# KiCad board design.kicad_pcb (continued)
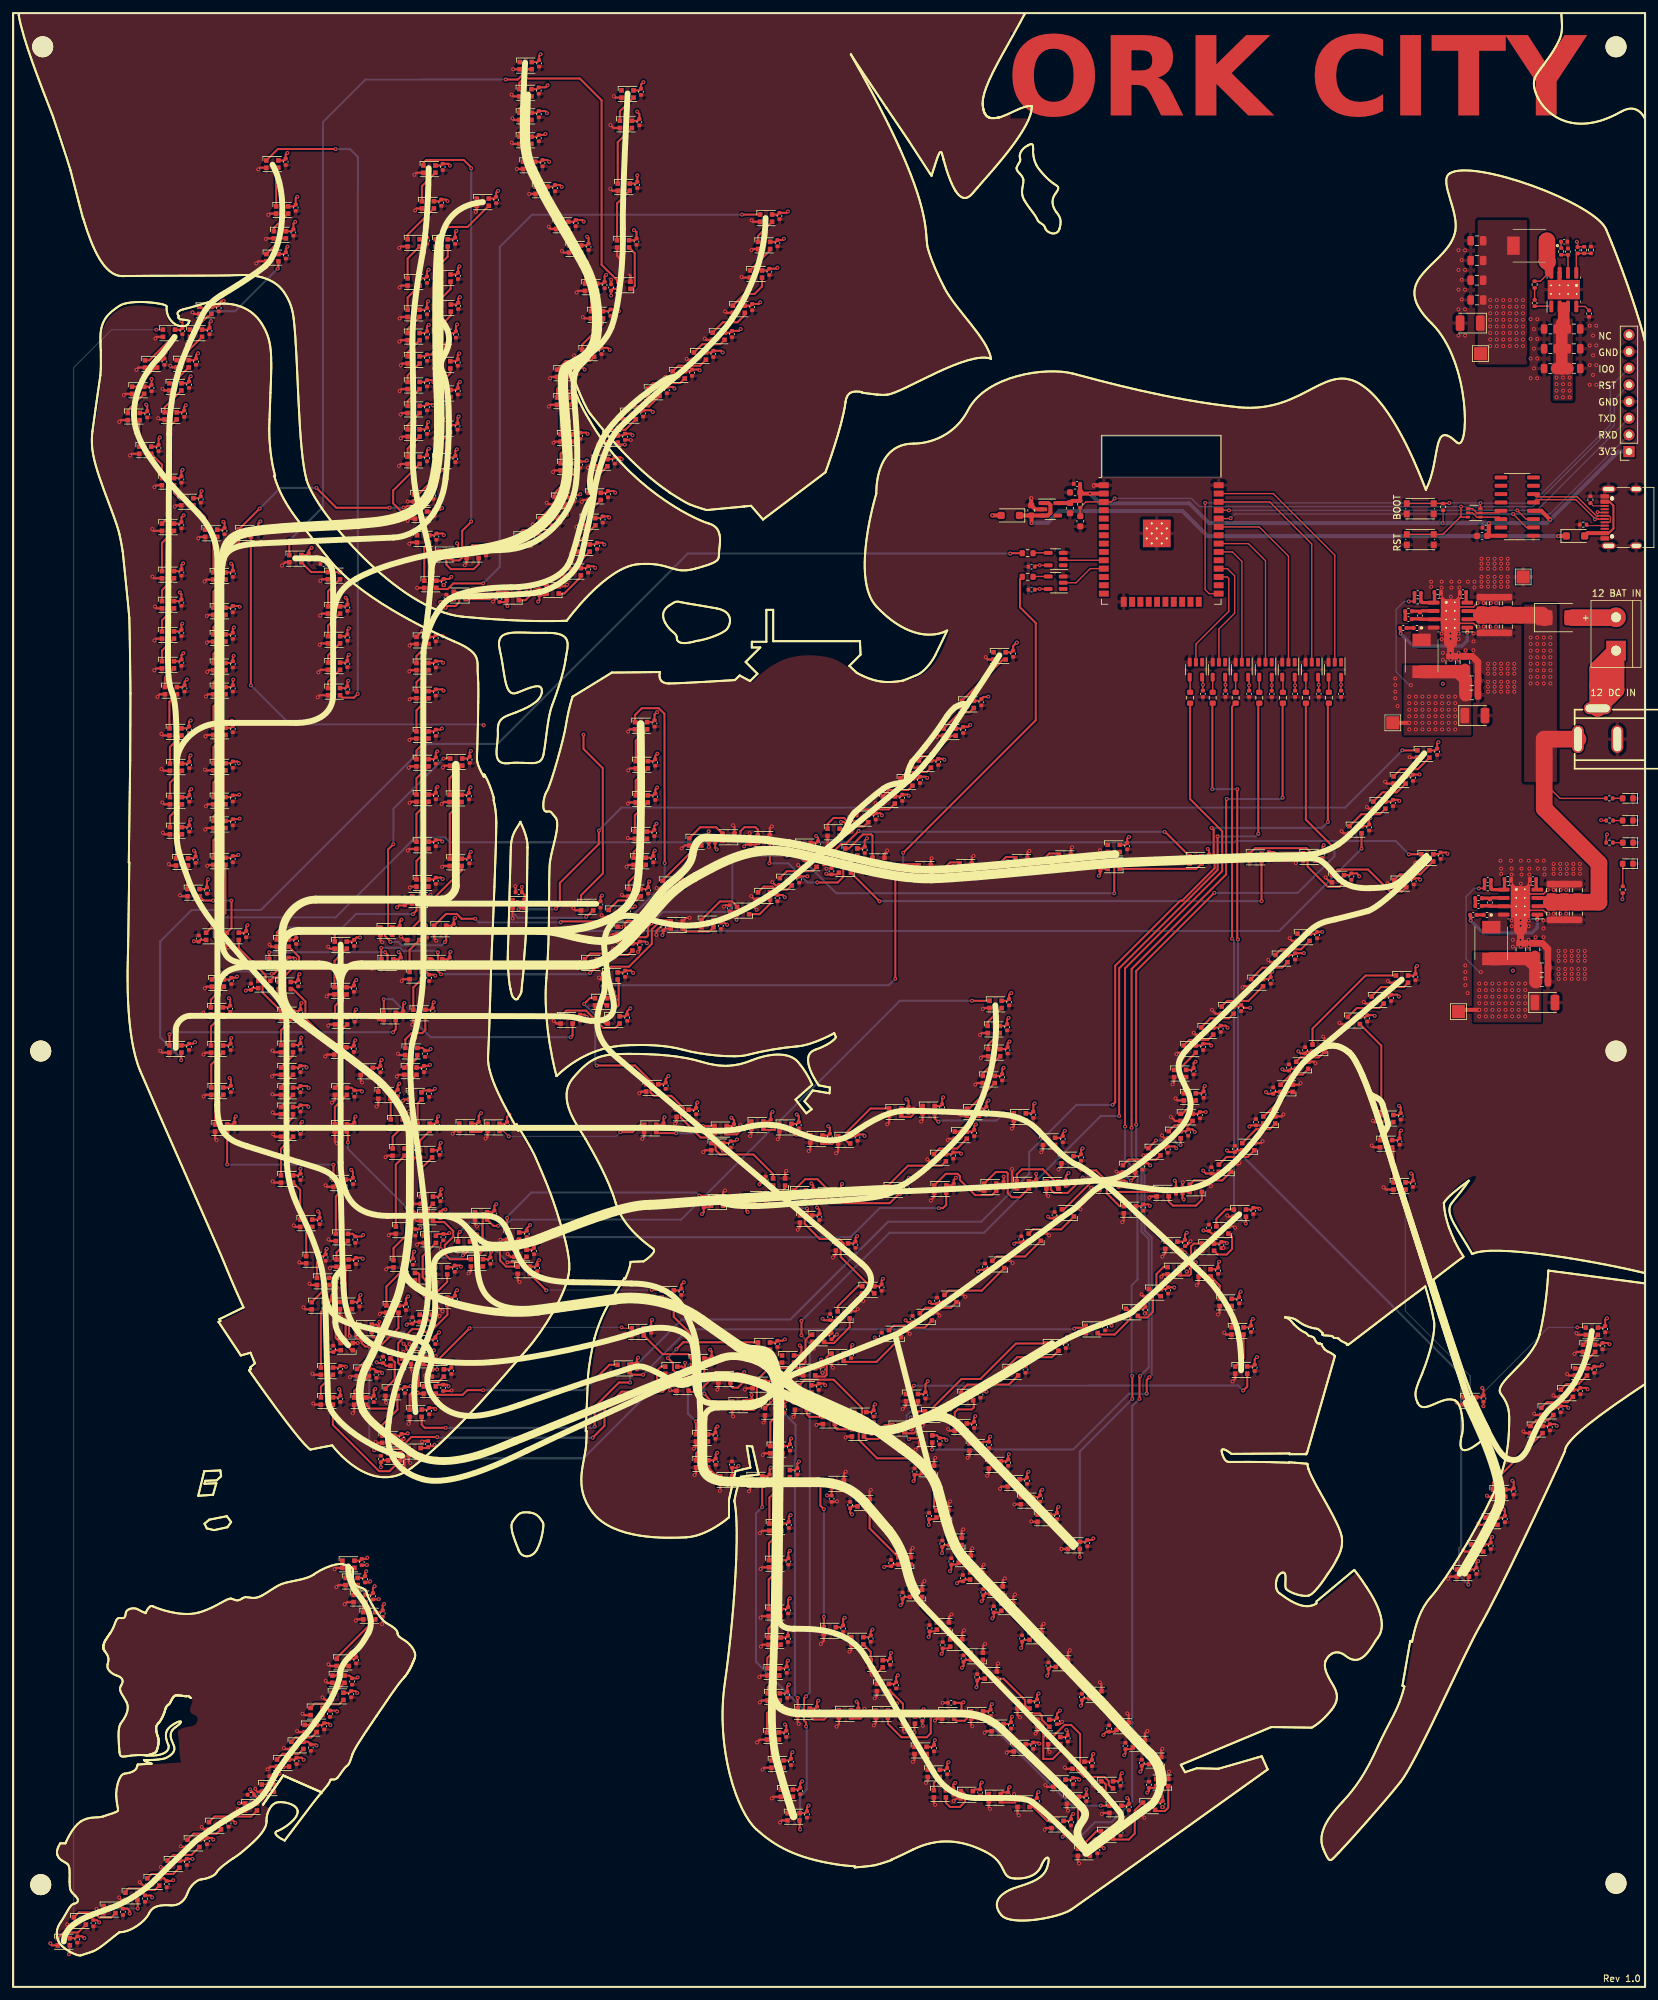
[diagram p0: board, top side]
## Routing (per net, layer and track width the routed paths; a pad name or vN(x,y) marks a point on that pad's centre or on a via; arc(x,y) is an arc through that point) (continued)
/Controller/+12v: length 149.9
  Top w0.203: R6.2 235.67,181.06 233.26,183.47 233.26,187.21
  Top w0.5: 236.15,166.12 238,166.12 238,164.5 ; 236.15,166.12 234.35,166.12 234.35,164.45 238.05,164.45 ; 236.15,166.12 236.15,164.5 ; 227.34,208.22 227.34,209.84 225.49,209.84 ; U4.3 223.05,209.62 ; U5.2 234.47,164.63 ; 225.49,209.84 223.69,209.84 223.69,208.17 227.39,208.17 ; 225.49,209.84 225.49,208.22 ; U4.2 223.8,208.35 ; U5.3 233.72,165.9
  Top w1.778: C52.1 236.84,246.55 235.93,246.55 ; 235.93,246.55 235.93,253.37 236.23,253.67 236.23,255.77 ; 235.93,246.55 C47.1
  Top w2.54: 223.69,208.97 232.89,208.97 D5.1 ; J4.1 233.31,190.09 233.26,190.04 233.26,179.51 241.6,171.18 241.6,165.25 234.35,165.25
  In2.Cu w2.54: v1(233.2,204.57) 233.2,217.74 231.41,219.53 231.41,239.45 v1(236.13,244.17)
  vias: v1(231.2,205.57) v1(231.2,204.57) v1(231.2,203.57) v1(231.2,202.57) v1(231.2,201.57) v1(231.2,200.57) v1(231.2,199.57) v1(231.2,198.57) v1(232.2,205.57) v1(232.2,204.57) v1(232.2,203.57) v1(232.2,202.57) v1(232.2,201.57) v1(232.2,200.57) v1(232.2,199.57) v1(232.2,198.57) v1(233.2,205.57) v1(233.2,203.57) v1(233.2,202.57) v1(233.2,201.57) v1(233.2,200.57) v1(233.2,199.57) v1(233.2,198.57) v1(234.2,205.57) v1(234.2,204.57) v1(234.2,203.57) v1(234.2,202.57) v1(234.2,201.57) v1(234.2,200.57) v1(234.2,199.57) v1(234.2,198.57) v1(235.13,245.17) v1(235.13,244.17) v1(235.13,243.17) v1(235.13,242.17) v1(236.13,245.17) v1(236.13,243.17) v1(236.13,242.17) v1(237.13,245.17) v1(237.13,244.17) v1(237.13,243.17) v1(237.13,242.17)
/Controller/VBUS: length 9.9
  Top w0.305: J2.A9 243.2,226.27 243.8,225.67 243.8,222.17 243.1,221.47 J2.A4
  Top w0.61: D1.2 239.86,221.47 J2.A4
GND: length 804.1
  Top w0.152: C477.2 127.51,175.76 v1(127.73,175.98) ; C271.2 48.45,102.88 v1(48.28,102.71) ; v1(224,88.47) 224.01,88.48 C165.2 ; 143.01,170.73 v1(142.21,169.93) ; v1(123.9,170.35) 123.99,170.44 C211.2 ; 151.47,171.49 v1(150.68,170.7) ; C79.2 65.15,113.34 v1(65.15,112.39) ; C524.2 70.75,112.36 v1(70.53,112.14) ; C529.2 160.88,122.03 161.29,122.44 ; v1(59.21,108.19) 59.38,108.36 C78.2 ; 158.11,172.07 v1(157.41,171.37)
  Top w0.23: 230.9,166.51 233.15,166.51 233.8,167.16 ; 223.14,210.88 222.49,210.23 220.24,210.23 ; 220.24,207.73 222.49,207.73 223.09,207.13 223.29,207.13 ; 230.9,164.01 233.15,164.01 233.75,163.41 233.95,163.41
  Top w0.305: v1(21.22,214.85) 21.47,214.6 D245.2 ; 45.79,88.87 45.73,88.93 v1(45.73,88.88) 45.78,88.88 45.95,88.71 D220.2 ; C399.2 147.36,29.13 v1(147.4,29.17) ; D281.2 145.89,66.55 146.13,66.79 v1(146.13,66.82) 146.16,66.82 146.09,66.75 ; D343.2 55.94,159.43 56.21,159.16 v1(56.23,159.16) 56.23,159.14 56.13,159.24 ; 64.47,107.45 64.53,107.39 v1(64.51,107.39) 64.51,107.41 64.3,107.62 D468.2 ; 182.46,122 v1(182.49,122) 182.49,121.97 182.46,122 ; 182.46,122 182.25,122.21 D129.2 ; D284.2 152.38,59.49 152.64,59.75 v1(152.64,59.78) 152.67,59.78 152.63,59.74 ; 145,105.2 145.07,105.13 v1(145.07,105.15) 145.05,105.15 144.78,105.42 D135.2 ; 105.24,127.25 105.14,127.15 v1(105.14,127.18) 105.17,127.18 105.45,127.46 D436.2 ; C74.2 59.31,83.28 v1(59.5,83.47) ; D381.2 132.27,120.86 132.04,120.63 v1(132.03,120.63) 132.03,120.62 132.14,120.73 ; D143.2 60.62,93.97 v1(60.91,93.68) ; 99.43,245.19 99.33,245.29 v1(99.33,245.27) 99.35,245.27 99.59,245.03 D61.2 ; D293.2 164.97,22.62 v1(164.75,22.41) ; 178,171.41 177.91,171.5 v1(177.94,171.5) 177.94,171.47 178.26,171.15 D161.2 ; D262.2 v1(76.18,292.15) ; D450.2 175.53,111.75 175.08,111.29 ; 93.7,191.32 93.97,191.59 D335.2 ; 93.7,191.32 v1(93.7,191.24) 93.62,191.24 93.7,191.32 ; 31.43,161.69 31.49,161.75 v1(31.41,161.75) 31.41,161.67 31.23,161.49 D207.2 ; D23.2 119.11,87.08 v1(118.87,86.84) ; 63.43,166.24 63.56,166.37 v1(63.56,166.35) 63.54,166.35 63.32,166.13 D319.2 ; D479.2 177.4,135.04 177.09,135.35 v1(177.09,135.36) 177.08,135.36 177.14,135.3 ; C385.2 95.05,160.66 v1(94.79,160.39) ; 135.58,88.07 135.53,88.02 v1(135.53,88.04) 135.55,88.04 136.02,88.51 D445.2 ; v1(93.65,180.27) 93.82,180.44 D337.2 ; 66.96,130 66.94,129.98 v1(66.98,129.98) 66.98,130.02 67.38,130.42 D464.2 ; D181.2 29.07,24 28.73,24.34 v1(28.73,24.35) 28.72,24.35 28.79,24.28 ; D336.2 94.01,185.64 v1(93.71,185.34) ; D43.2 60.36,173.37 60.13,173.14 v1(60.13,173.12) 60.11,173.12 60.22,173.23 ; D283.2 150.76,61.93 151.08,62.24 v1(151.09,62.24) 151.09,62.25 151.04,62.2 ; D292.2 172.16,25.95 172.33,25.78 v1(172.34,25.78) 172.34,25.77 172.26,25.85 ; D294.2 162.22,19.03 162.41,18.84 v1(162.41,18.81) 162.44,18.81 162.31,18.94 ; D353.2 130.65,47.82 v1(130.87,47.55) 130.75,47.72 ; D435.2 101.08,131.72 100.88,131.52 v1(100.86,131.52) 100.86,131.5 100.91,131.55 ; 156.7,127.26 156.61,127.17 v1(156.64,127.17) 156.64,127.2 156.91,127.47 D453.2 ; C105.2 94.1,235.68 v1(94.1,235.67) ; D252.2 37.34,262.9 37.04,262.6 v1(37.04,262.56) 37,262.56 37.07,262.63 ; D95.2 59.14,259.2 58.89,258.95 v1(58.89,258.9) 58.84,258.9 58.97,259.03 ; D264.2 115.8,28.96 115.59,28.75 v1(115.59,28.71) 115.55,28.71 115.66,28.82 ; 159.62,66.83 v1(159.73,66.72) 160.68,66.72 ; D345.2 153.02,26.32 153.2,26.14 v1(153.22,26.14) 153.22,26.12 153.14,26.2 ; D120.2 202.22,146.67 202.06,146.83 v1(202.06,146.86) 202.03,146.86 202.08,146.81 ; 99,103.97 99.1,103.87 v1(99.05,103.87) 99.05,103.92 98.81,104.16 D374.2 ; v1(127.27,86.51) 126.91,86.15 C69.2 ; v1(127.27,86.51) 127.51,86.48 D277.2 ; v1(127.27,86.51) 127.45,86.48 127.48,86.48 ; D304.2 112.72,97.07 112.27,96.62 v1(112.27,96.59) 112.24,96.59 112.31,96.66 ; 42.88,115.93 42.77,116.04 v1(42.77,116.01) 42.8,116.01 43.02,115.79 D225.2 ; D438.2 119.88,115.75 119.54,115.41 v1(119.54,115.36) 119.49,115.36 119.61,115.48 ; 25.61,21.4 25.55,21.46 v1(25.55,21.42) 25.59,21.42 25.7,21.31 D182.2 ; 139.88,119.91 139.77,119.8 v1(139.84,119.8) 139.84,119.87 140.32,120.36 D471.2 ; D93.2 61.47,270.94 61.25,270.72 v1(61.25,270.65) 61.18,270.65 61.31,270.78 ; 209.11,183.48 208.99,183.6 v1(209.02,183.6) 209.02,183.57 209.27,183.32 D411.2 ; D172.2 48.29,48.88 v1(48.04,49.13) ; v1(124.9,94.33) 124.69,94.54 D138.2 ; 61.59,113.14 61.52,113.07 v1(61.54,113.07) 61.54,113.09 61.78,113.33 D32.2 ; D424.2 119.83,170.63 119.61,170.85 v1(119.61,170.91) 119.55,170.91 119.65,170.81 ; 121.27,127.37 121.21,127.31 v1(121.21,127.33) 121.23,127.33 121.47,127.56 D458.2 ; D299.2 145.94,39.92 146.13,39.73 v1(146.13,39.71) 146.15,39.71 146.05,39.81 ; 64.41,103.92 65.41,102.92 v1(65.43,102.92) 65.43,102.9 65.36,102.97 ; D130.2 173.26,120.43 173.11,120.28 v1(173.11,120.24) 173.07,120.24 173.17,120.34 ; 29.18,185.51 29.22,185.47 v1(29.22,185.44) 29.25,185.44 29.37,185.32 D203.2 ; D413.2 202.68,175.75 202.39,176.04 v1(202.39,176.06) 202.37,176.06 202.47,175.96 ; 186.73,125.41 186.82,125.5 v1(186.81,125.5) 186.81,125.49 186.6,125.28 D128.2 ; D414.2 22.67,142.34 22.41,142.6 ; C342.2 175.12,27.38 v1(175.1,27.4) ; D291.2 175.99,32.68 176.09,32.78 v1(176.1,32.78) 176.1,32.79 176.07,32.76 ; D251.2 27.6,254.86 v1(27.34,255.12) ; v1(122.19,119.69) 122.55,120.05 D380.2 ; v1(68.81,216.59) 69.09,216.87 D90.2 ; D37.2 58.63,138.95 58.46,138.78 v1(58.46,138.7) 58.38,138.7 58.52,138.84 ; 63.18,109.94 63.3,110.06 v1(63.3,109.95) 63.19,109.95 63.05,109.81 D31.2 ; 107.32,91.05 107.26,90.99 v1(107.29,90.99) 107.29,91.02 107.44,91.17 D25.2 ; 127.45,51.07 v1(127.42,51.07) 127.42,51.04 127.45,51.07 ; 127.45,51.07 127.7,51.32 D354.2 ; 69.45,108.73 69.38,108.66 v1(69.38,108.71) 69.43,108.71 69.74,109.03 D390.2 ; 46.85,214.26 46.79,214.2 v1(46.8,214.2) 46.8,214.21 47.04,214.45 D260.2 ; D408.2 85.67,164.01 85.36,164.32 v1(85.36,164.34) 85.34,164.34 85.4,164.28 ; 119.37,93.37 119.26,93.48 v1(119.35,93.48) 119.35,93.39 119.58,93.16 D139.2 ; v1(67.8,218.07) 67.8,218.08 C139.2 ; 207.22,131.9 207.17,131.95 v1(207.17,131.94) 207.18,131.94 207.38,131.74 D119.2 ; D239.2 22.93,185.27 22.68,185.52 v1(22.6,185.52) 22.6,185.6 22.69,185.51 ; 75.71,219.98 75.7,219.98 v1(75.66,219.97) 75.72,219.98 D89.2 ; D265.2 114.42,33.39 114.18,33.15 v1(114.18,33.11) 114.14,33.11 114.23,33.2 ; v1(78.23,212.54) 78.05,212.36 D51.2 ; D383.2 142.55,129.2 142.4,129.05 ; 64.84,254.17 64.81,254.14 v1(64.83,254.14) 64.83,254.16 64.84,254.18 D400.2 ; D269.2 114.16,52.13 113.92,51.89 v1(113.92,51.83) 113.86,51.83 113.95,51.92 ; 47.86,151.01 47.75,150.9 v1(47.77,150.9) 47.77,150.92 48.05,151.2 D395.2 ; D279.2 142.5,73.72 v1(142.75,73.97) ; v1(56.2,55.27) 56.3,55.37 C220.2 ; D193.2 18.05,233.56 17.81,233.32 v1(17.81,233.3) 17.79,233.3 17.8,233.31 ; 137.11,34.32 137.07,34.28 v1(137.09,34.28) 137.09,34.3 137.32,34.54 D350.2 ; D39.2 60.97,146.86 60.81,146.7 v1(60.81,146.62) 60.73,146.62 60.88,146.77 ; D361.2 144.59,53.97 144.88,54.26 v1(144.88,54.3) 144.92,54.3 144.83,54.21 ; v1(178.8,108.98) 178.82,108.96 C260.2 ; v1(76.75,276.96) D76.2 ; 75.38,111.64 75.34,111.68 v1(75.34,111.66) 75.36,111.66 75.81,111.21 D470.2 ; v1(104,91.27) 104.05,91.23 C73.2 ; 60.43,79.89 60.5,79.82 v1(60.5,79.83) 60.49,79.83 60.26,80.06 D306.2 ; D362.2 147.75,51.94 148.06,52.25 v1(148.07,52.25) 148.07,52.26 148.02,52.21 ; D97.2 59.06,250.87 v1(58.85,250.66) ; D315.2 52.95,138.03 53.16,137.82 v1(53.16,137.8) 53.18,137.8 53.08,137.9 ; v1(46.41,196.48) 46.71,196.78 D256.2 ; 16.86,242.54 16.84,242.52 v1(16.86,242.52) 16.86,242.54 ; 16.86,242.54 17.01,242.69 D191.2 ; C518.2 70.93,130.85 v1(70.9,130.87) ; 118.63,91.55 118.62,91.56 v1(118.68,91.56) 118.68,91.5 119.63,90.55 ; 238.25,99.46 238.12,99.59 v1(238.17,99.59) 238.17,99.54 238.38,99.33 D115.2 ; D301.2 131.44,40.17 131.14,39.86 v1(131.14,39.84) 131.12,39.84 131.2,39.92 ; 85.98,155.68 85.93,155.73 v1(85.93,155.71) 85.95,155.71 86.2,155.46 D157.2 ; 60.54,167.59 60.42,167.47 v1(60.45,167.47) 60.45,167.5 60.58,167.63 D42.2 ; D412.2 206.55,179.48 206.27,179.76 v1(206.26,179.76) 206.26,179.77 206.35,179.68 ; v1(91.1,260.07) 91.1,260.07 C120.2 ; v1(58.87,254.19) 59.09,254.41 D96.2 ; 89.23,148.49 89.28,148.44 v1(89.25,148.44) 89.25,148.47 88.66,149.06 D433.2 ; 18.84,246.46 18.74,246.36 v1(18.78,246.36) 18.78,246.4 19.09,246.71 D190.2 ; v1(138.85,61.81) 138.47,61.43 D359.2 ; v1(63.83,217.53) 63.97,217.67 D91.2 ; 230.13,84.54 230.05,84.62 v1(230.1,84.62) 230.1,84.57 230.31,84.36 D110.2 ; D328.2 132.75,172.67 133.16,173.08 v1(133.16,173.12) 133.2,173.12 133.11,173.03 ; D156.2 62.84,155.46 62.56,155.74 v1(62.56,155.77) 62.53,155.77 62.6,155.7 ; D29.2 59.31,96.61 59.46,96.75 v1(59.46,96.76) 59.47,96.76 59.4,96.69 ; 51.75,87.41 51.72,87.38 v1(51.75,87.38) 51.75,87.41 ; 51.75,87.41 51.96,87.62 D307.2 ; v1(126.84,83.7) 126.99,83.85 D21.2 ; D244.2 21.85,210.02 21.62,210.25 ; D289.2 172.42,38.61 172.79,38.97 v1(172.81,38.97) 172.81,38.99 172.78,38.96 ; D442.2 121.73,97.45 121.96,97.22 v1(121.98,97.22) 121.98,97.2 121.91,97.27 ; v1(64.4,96.07) 63.64,95.31 C192.2 ; 60.16,223.48 60.02,223.34 v1(60.1,223.34) 60.1,223.42 60.35,223.67 D103.2 ; 145.48,80.64 145.43,80.59 v1(145.43,80.61) 145.45,80.61 145.7,80.86 D14.2 ; 153.28,41.15 153.38,41.05 v1(153.38,41.07) 153.36,41.07 153.01,41.42 D364.2 ; 92.82,166.27 92.73,166.36 v1(92.75,166.36) 92.75,166.34 92.93,166.16 D340.2 ; 139.92,171.91 139.96,171.95 v1(139.94,171.95) 139.94,171.93 139.81,171.8 D327.2 ; D99.2 59.15,243.42 58.89,243.16 v1(58.89,243.12) 58.85,243.12 58.98,243.25 ; D384.2 144.44,132.71 144.2,132.95 v1(144.17,132.95) 144.17,132.98 144.25,132.9 ; D452.2 159.72,125.04 159.26,124.58 v1(159.26,124.52) 159.2,124.52 159.3,124.62 ; 81.87,245.17 81.77,245.07 v1(81.8,245.07) 81.8,245.1 81.98,245.28 D83.2 ; D297.2 151.5,35.87 151.38,35.75 v1(151.38,35.69) 151.32,35.69 151.41,35.78 ; 76.04,280.89 75.97,280.96 v1(75.98,280.96) 75.98,280.95 76.16,280.77 D75.2 ; D171.2 52.35,55.99 52.2,55.84 v1(52.2,55.8) 52.16,55.8 52.25,55.89 ; 209.4,168.13 209.39,168.14 v1(209.39,168.13) 209.4,168.13 ; 209.4,168.13 209.99,167.54 D166.2 ; D94.2 59.04,265.15 v1(58.82,264.93) ; 47.21,44.07 47.13,44.15 v1(47.13,44.11) 47.17,44.11 47.57,43.71 D174.2 ; D321.2 65.63,180.51 65.34,180.22 v1(65.29,180.22) 65.29,180.17 65.39,180.27 ; 113.92,63.77 113.82,63.67 v1(113.86,63.67) 113.86,63.71 114.07,63.92 D271.2 ; 95.5,136.17 95.42,136.09 v1(95.42,136.14) 95.47,136.14 95.74,136.41 D434.2 ; C352.2 128.79,41.46 v1(129.7,42.37) ; 70.55,115.94 70.66,115.83 v1(70.66,115.86) 70.63,115.86 70.36,116.12 D389.2 ; D290.2 174.91,36.11 175.07,36.26 v1(175.08,36.26) 175.08,36.27 175.02,36.21 ; C68.2 131.29,84.26 v1(131.6,84.57) ; 108.38,121.29 108.46,121.37 v1(108.46,121.33) 108.42,121.33 108.17,121.08 D377.2 ; D82.2 85.71,248.34 85.5,248.55 v1(85.45,248.55) 85.45,248.6 85.57,248.48 ; 34.15,219.72 v1(34.15,219.75) 34.18,219.75 34.39,219.96 D407.2 ; D237.2 23.06,175.59 22.83,175.82 v1(22.83,175.83) 22.82,175.83 22.92,175.73 ; D417.2 90.12,146.77 89.66,147.23 v1(89.65,147.23) 89.65,147.24 89.78,147.11 ; 29.59,208.92 29.51,208.84 v1(29.51,208.85) 29.52,208.85 29.69,209.02 D198.2 ; D303.2 119.53,40.29 119.69,40.13 ; 89.64,163.2 89.59,163.25 v1(89.65,163.25) 89.65,163.19 89.86,162.98 D341.2 ; D338.2 93.82,174.91 93.69,175.04 v1(93.65,175.04) 93.65,175.08 93.74,174.99 ; 93.55,170.75 93.45,170.65 v1(93.46,170.65) 93.46,170.66 93.73,170.93 D339.2 ; D179.2 37.22,29.72 36.9,30.04 v1(36.9,30.17) ; D151.2 29.28,142.33 29.01,142.06 v1(29.01,142.05) 29,142.05 29.12,142.17 ; D140.2 109.56,87.04 109.68,86.92 v1(109.71,86.92) 109.71,86.89 109.65,86.95 ; 95.89,129.27 95.81,129.19 v1(95.85,129.19) 95.85,129.23 96.14,129.52 D462.2 ; v1(51.32,92.9) 51.47,93.05 D308.2 ; D68.2 91.75,287.83 v1(91.52,288.06) ; D420.2 104.18,161.44 v1(103.98,161.53) 104.16,161.46 ; v1(115.18,131.19) 115.23,131.15 C514.2 ; D274.2 114.41,81.3 114.23,81.12 v1(114.23,81.04) 114.15,81.04 114.27,81.16 ; D69.2 91.46,283.2 v1(91,283.66) ; 139.35,126.01 139.28,126.08 v1(139.3,126.08) 139.3,126.06 139.59,125.77 D382.2 ; D329.2 126.12,172.34 v1(126.02,172.31) 126.06,172.34 126.09,172.34 ; D331.2 109.91,176.77 v1(109.69,176.98) ; 108.54,255.24 108.47,255.31 v1(108.47,255.25) 108.53,255.25 108.75,255.03 D64.2 ; v1(103.06,162.87) 102.57,162.87 D419.2 ; v1(98,160.27) 98,160.86 C471.2 ; 142.91,56.7 142.98,56.77 v1(142.98,56.75) 142.96,56.75 142.57,56.37 D360.2 ; 39.56,138.84 39.44,138.72 v1(39.45,138.72) 39.45,138.73 39.68,138.96 D230.2 ; C153.2 65.59,213.56 v1(65.6,213.57) ; 208.94,121.69 208.79,121.84 v1(208.79,121.81) 208.82,121.81 209.16,121.47 D117.2 ; D365.2 156.05,38.87 v1(155.76,38.58) ; 219.98,88.95 219.92,89.01 v1(219.95,89.01) 219.95,88.98 220.19,88.74 D116.2 ; C486.2 91.64,149.78 v1(91.47,149.61) ; v1(125.5,73.97) 125.42,73.89 C408.2 ; 152.18,130.79 152.14,130.75 v1(152.16,130.75) 152.16,130.77 152.45,131.06 D454.2 ; v1(118.08,120.83) 118.69,120.22 D379.2 ; 160.94,51.22 161,51.28 v1(160.99,51.28) 160.99,51.27 160.7,50.98 D286.2 ; 39.57,122.72 v1(39.53,122.72) 39.53,122.76 39.57,122.72 ; 39.57,122.72 39.76,122.53 D226.2 ; D200.2 29.79,200.6 29.59,200.4 v1(29.59,200.33) 29.52,200.33 29.61,200.42 ; v1(148.02,38.72) 148.25,38.95 D298.2 ; D300.2 140.7,40.87 140.44,40.61 v1(140.44,40.59) 140.42,40.59 140.49,40.66 ; D403.2 64.78,241.37 64.65,241.23 v1(64.79,241.23) 64.79,241.37 64.78,241.36 ; D88.2 79.49,222.61 79.29,222.81 v1(79.17,222.81) 79.17,222.93 79.28,222.82 ; D222.2 44.53,103.22 44.24,103.51 v1(44.24,103.53) 44.22,103.53 44.33,103.42 ; v1(112.28,129.63) 112.47,129.81 D460.2 ; D324.2 161.16,173.42 v1(161.34,173.6) ; v1(84.38,213.62) 84.14,213.38 D52.2 ; 136.56,99.56 136.64,99.48 v1(136.61,99.48) 136.61,99.51 136.35,99.77 135.57,99.77 D137.2 ; D443.2 116.49,95.1 116.46,95.07 v1(116.44,95.07) 116.44,95.05 116.45,95.06 ; 28.23,220.74 28.17,220.68 v1(28.21,220.68) 28.21,220.72 28.39,220.9 D196.2 ; 39.68,129.72 v1(39.62,129.9) 39.87,129.53 D227.2 ; v1(89.1,235.06) 89.31,235.27 D58.2 ; 22.57,190.84 22.52,190.89 v1(22.58,190.89) 22.58,190.83 22.76,190.65 D240.2 ; D155.2 55.02,155.46 54.7,155.14 v1(54.7,155.11) 54.67,155.11 54.73,155.17 ; D325.2 154.52,172.83 154.74,173.05 v1(154.82,173.05) 154.82,173.13 154.73,173.04 ; D347.2 143.74,28.72 143.35,28.33 v1(143.3,28.33) 143.3,28.28 143.43,28.41 ; D367.2 160.46,33.22 160.26,33.42 v1(160.24,33.42) 160.24,33.44 160.29,33.39 ; D153.2 29.43,152.38 29.22,152.17 v1(29.22,152.13) 29.18,152.13 29.23,152.18 ; 62.91,93.08 62.77,93.22 v1(62.77,93.12) 62.87,93.12 63.02,92.97 D217.2 ; D107.2 221.16,66.31 220.9,66.57 v1(220.9,66.58) 220.89,66.58 220.94,66.53 ; D48.2 60.54,200.6 60.36,200.42 v1(60.36,200.4) 60.34,200.4 60.44,200.5 ; v1(144.75,69.71) 144.51,69.48 D280.2 ; v1(93.06,99.41) 93.23,99.24 D142.2 ; 59.14,236.03 59.03,235.92 v1(59.07,235.92) 59.07,235.96 59.3,236.19 D101.2 ; v1(136.74,85.01) 136.83,84.92 C67.2 ; 116.62,129.23 116.49,129.1 v1(116.49,129.13) 116.52,129.13 116.74,129.35 D459.2 ; v1(76.1,162.78) 76.09,162.79 D409.2 ; 22.54,18.25 22.51,18.28 v1(22.51,18.26) 22.53,18.26 22.64,18.15 D183.2 ; 127.42,178.17 v1(127.42,178.22) 127.37,178.22 127.42,178.17 ; 127.42,178.17 128.15,177.44 D426.2 ; 85,218.49 84.87,218.36 v1(84.95,218.36) 84.95,218.44 85.17,218.66 D54.2 ; 29.48,204.8 29.47,204.79 v1(29.51,204.79) 29.51,204.83 29.63,204.95 D199.2 ; D246.2 21.41,221.82 21.18,222.05 v1(21.18,222.11) 21.12,222.11 21.16,222.07 ; 147.47,141.6 147.4,141.53 v1(147.43,141.53) 147.43,141.56 147.65,141.78 D386.2 ; D351.2 135.56,39.18 135.81,38.93 v1(135.81,38.91) 135.83,38.91 135.72,39.02 ; D429.2 137.24,185.74 137.02,185.96 v1(137,185.96) 137,185.98 137.04,185.94 ; v1(157.84,114.48) 157.56,114.76 D133.2 ; D169.2 49.58,61.21 49.28,60.91 v1(49.25,60.91) 49.25,60.88 49.31,60.94 ; 140.46,80.54 140.52,80.6 v1(140.49,80.6) 140.49,80.57 140.31,80.38 D278.2 ; D423.2 116.16,167.82 115.68,168.3 v1(115.65,168.3) 115.65,168.33 115.76,168.22 ; 169.81,41.62 169.74,41.69 v1(169.74,41.66) 169.77,41.66 169.94,41.49 D288.2 ; 165.58,173.12 165.8,172.9 D323.2 ; 165.58,173.12 165.53,173.17 v1(165.58,173.17) 165.58,173.12 ; C512.2 124.43,129.06 v1(124.44,129.07) ; 26.56,250.39 26.48,250.31 v1(26.48,250.32) 26.49,250.32 26.94,250.78 D250.2 ; 174.92,108.27 174.83,108.18 v1(174.95,108.18) 174.95,108.3 175.2,108.55 D211.2 ; 45.19,107.06 45.12,107.13 v1(45.16,107.13) 45.16,107.09 45.32,106.93 D223.2 ; D224.2 43.82,110.23 43.67,110.38 v1(43.6,110.38) 43.6,110.45 43.69,110.36 ; 112.54,269.08 112.48,269.14 v1(112.51,269.14) 112.51,269.11 112.71,268.91 D67.2 ; 21.56,228.5 21.52,228.46 v1(21.52,228.49) 21.55,228.49 21.83,228.77 D194.2 ; 70.06,212.39 70.14,212.31 v1(70.14,212.34) 70.11,212.34 69.93,212.52 D50.2 ; D212.2 172.17,105.22 171.91,105.48 v1(171.91,105.5) 171.89,105.5 172.01,105.38 ; D20.2 133.07,84.51 132.93,84.65 v1(132.93,84.67) 132.91,84.67 133.01,84.57 ; D477.2 175.44,129.28 175.03,129.69 ; C218.2 54.25,61.62 v1(54.4,61.77) ; C98.2 74.01,211.95 v1(73.12,211.06) ; 91.19,160.24 91.06,160.11 v1(91.09,160.11) 91.09,160.14 91.36,160.41 D334.2 ; D310.2 57.1,109.61 56.82,109.33 v1(56.82,109.32) 56.81,109.32 56.89,109.4 ; v1(62.3,83.07) 62.38,83.15 C356.2 ; C267.2 55.97,99.53 v1(56.55,100.1) ; D366.2 157.69,36.09 157.9,35.88 v1(157.9,35.8) 157.98,35.8 157.84,35.94 ; 30.9,129.11 31.01,129 v1(30.99,129) 30.99,129.02 30.78,129.24 D149.2 ; 205.85,150.01 205.77,150.09 v1(205.77,150.04) 205.82,150.04 206.07,149.79 D121.2 ; D275.2 114.54,86.23 114.33,86.02 v1(114.33,85.98) 114.29,85.98 114.39,86.08 ; D44.2 60.55,180.55 60.41,180.41 v1(60.41,180.39) 60.39,180.39 60.47,180.47 ; D257.2 46.85,200.66 46.51,200.32 v1(46.51,200.28) 46.47,200.28 46.54,200.35 ; 140.43,27.83 140.52,27.74 v1(140.48,27.74) 140.48,27.78 140.28,27.99 D348.2 ; 176.71,137.6 176.62,137.51 v1(176.65,137.51) 176.65,137.54 176.87,137.76 D480.2 ; v1(120,95.57) 120.07,95.51 C496.2 ; D19.2 138.9,85.88 138.53,85.51 v1(138.53,85.49) 138.51,85.49 138.58,85.56 ; 175.03,129.69 v1(175.03,129.72) 175,129.72 175.03,129.69 ; D346.2 148.63,27.31 148.83,27.12 v1(148.83,27.11) 148.84,27.11 148.77,27.18 ; 142.4,129.05 142.35,129 v1(142.4,129) 142.4,129.05 ; D104.2 60.52,220.06 60.35,219.89 v1(60.35,219.85) 60.31,219.85 60.39,219.93 ; D126.2 193.26,132.62 193.54,132.9 v1(193.54,132.92) 193.56,132.92 193.53,132.89 ; v1(75.94,288.27) 76.19,288.02 D73.2 ; C350.2 v1(141.6,43.27) ; 169.01,116.52 168.97,116.48 v1(168.97,116.5) 168.99,116.5 169.21,116.72 D451.2 ; 22.41,142.6 v1(22.41,142.62) 22.39,142.62 22.41,142.6 ; 56.46,130.92 56.39,130.85 v1(56.43,130.85) 56.43,130.89 56.6,131.06 D313.2 ; D12.2 150.58,76.22 150.36,76.01 v1(150.36,75.87) ; 129.47,104.59 129.57,104.49 v1(129.52,104.49) 129.52,104.54 129.35,104.7 D440.2 ; 95.56,242.26 95.47,242.17 v1(95.49,242.17) 95.49,242.19 95.68,242.38 D60.2 ; v1(125.49,99.39) 124.77,98.67 C495.2 ; 83.68,214.94 83.53,214.79 v1(83.58,214.79) 83.58,214.84 83.8,215.06 D53.2 ; 29.59,170.87 29.51,170.79 v1(29.58,170.79) 29.58,170.86 29.65,170.93 D206.2 ; D437.2 117.62,124.09 117.79,124.27 v1(117.79,124.31) 117.83,124.31 117.69,124.17 ; v1(152.5,29.37) 151.81,28.68 C398.2 ; D247.2 22.35,238.79 22.15,238.99 v1(22.1,238.99) 22.1,239.04 22.18,238.96 ; 125.03,111.26 124.9,111.13 v1(124.91,111.13) 124.91,111.14 125.36,111.59 D439.2 ; D26.2 100.16,90.82 100.09,90.89 v1(100.09,90.94) 100.04,90.94 ; 116.87,25.12 116.79,25.04 v1(116.84,25.04) 116.84,25.09 117.12,25.37 D263.2 ; 199.63,144.67 199.54,144.76 v1(199.58,144.76) 199.58,144.72 199.79,144.51 D123.2 ; D167.2 213.74,171.45 213.6,171.31 v1(213.6,171.23) 213.52,171.23 213.58,171.29 ; 146.75,121.77 146.66,121.86 v1(146.71,121.86) 146.71,121.81 147.24,121.28 D472.2 ; 16.15,13.59 16.13,13.61 v1(16.16,13.61) 16.16,13.58 16.5,13.24 D185.2 ; 138.45,131.93 138.33,131.81 v1(138.33,131.85) 138.37,131.85 138.56,132.04 D455.2 ; D188.2 5.91,6.33 5.67,6.57 v1(5.67,6.63) 5.61,6.63 5.68,6.56 ; C99.2 79.7,212.97 v1(79.51,212.77) ; 60.46,190.1 60.33,189.97 v1(60.38,189.97) 60.38,190.02 60.54,190.18 D46.2 ; 212.81,187.36 212.75,187.42 v1(212.75,187.35) 212.82,187.35 212.89,187.28 D410.2 ; D422.2 112.98,165.66 112.47,166.17 v1(112.47,166.18) 112.46,166.18 112.57,166.07 ; D273.2 116.5,76.78 116.35,76.62 v1(116.32,76.62) 116.32,76.59 116.42,76.69 ; D204.2 29.64,180.17 29.36,179.89 v1(29.36,179.87) 29.34,179.87 29.37,179.9 ; 55.27,147.68 55.21,147.74 v1(55.21,147.72) 55.23,147.72 55.65,147.3 D415.2 ; D370.2 112.29,75.71 v1(112.1,75.52) ; 29.19,214.17 29.13,214.11 v1(29.17,214.11) 29.17,214.15 29.42,214.4 D197.2 ; D371.2 107.74,75.67 107.68,75.61 v1(107.68,75.58) 107.65,75.58 107.72,75.65 ; D465.2 60.41,85.96 60.24,85.79 v1(60.24,85.78) 60.23,85.78 60.32,85.87 ; 81.66,240.83 81.59,240.76 v1(81.62,240.76) 81.62,240.79 81.86,241.03 D84.2 ; 143.42,195.05 143.32,195.15 v1(143.4,195.15) 143.4,195.07 143.64,194.83 D431.2 ; 46.83,209 46.73,208.9 v1(46.77,208.9) 46.77,208.94 47.05,209.22 D259.2 ; 49.24,128.53 